# KiCad board Spielmodul.kicad_pcb (continued)
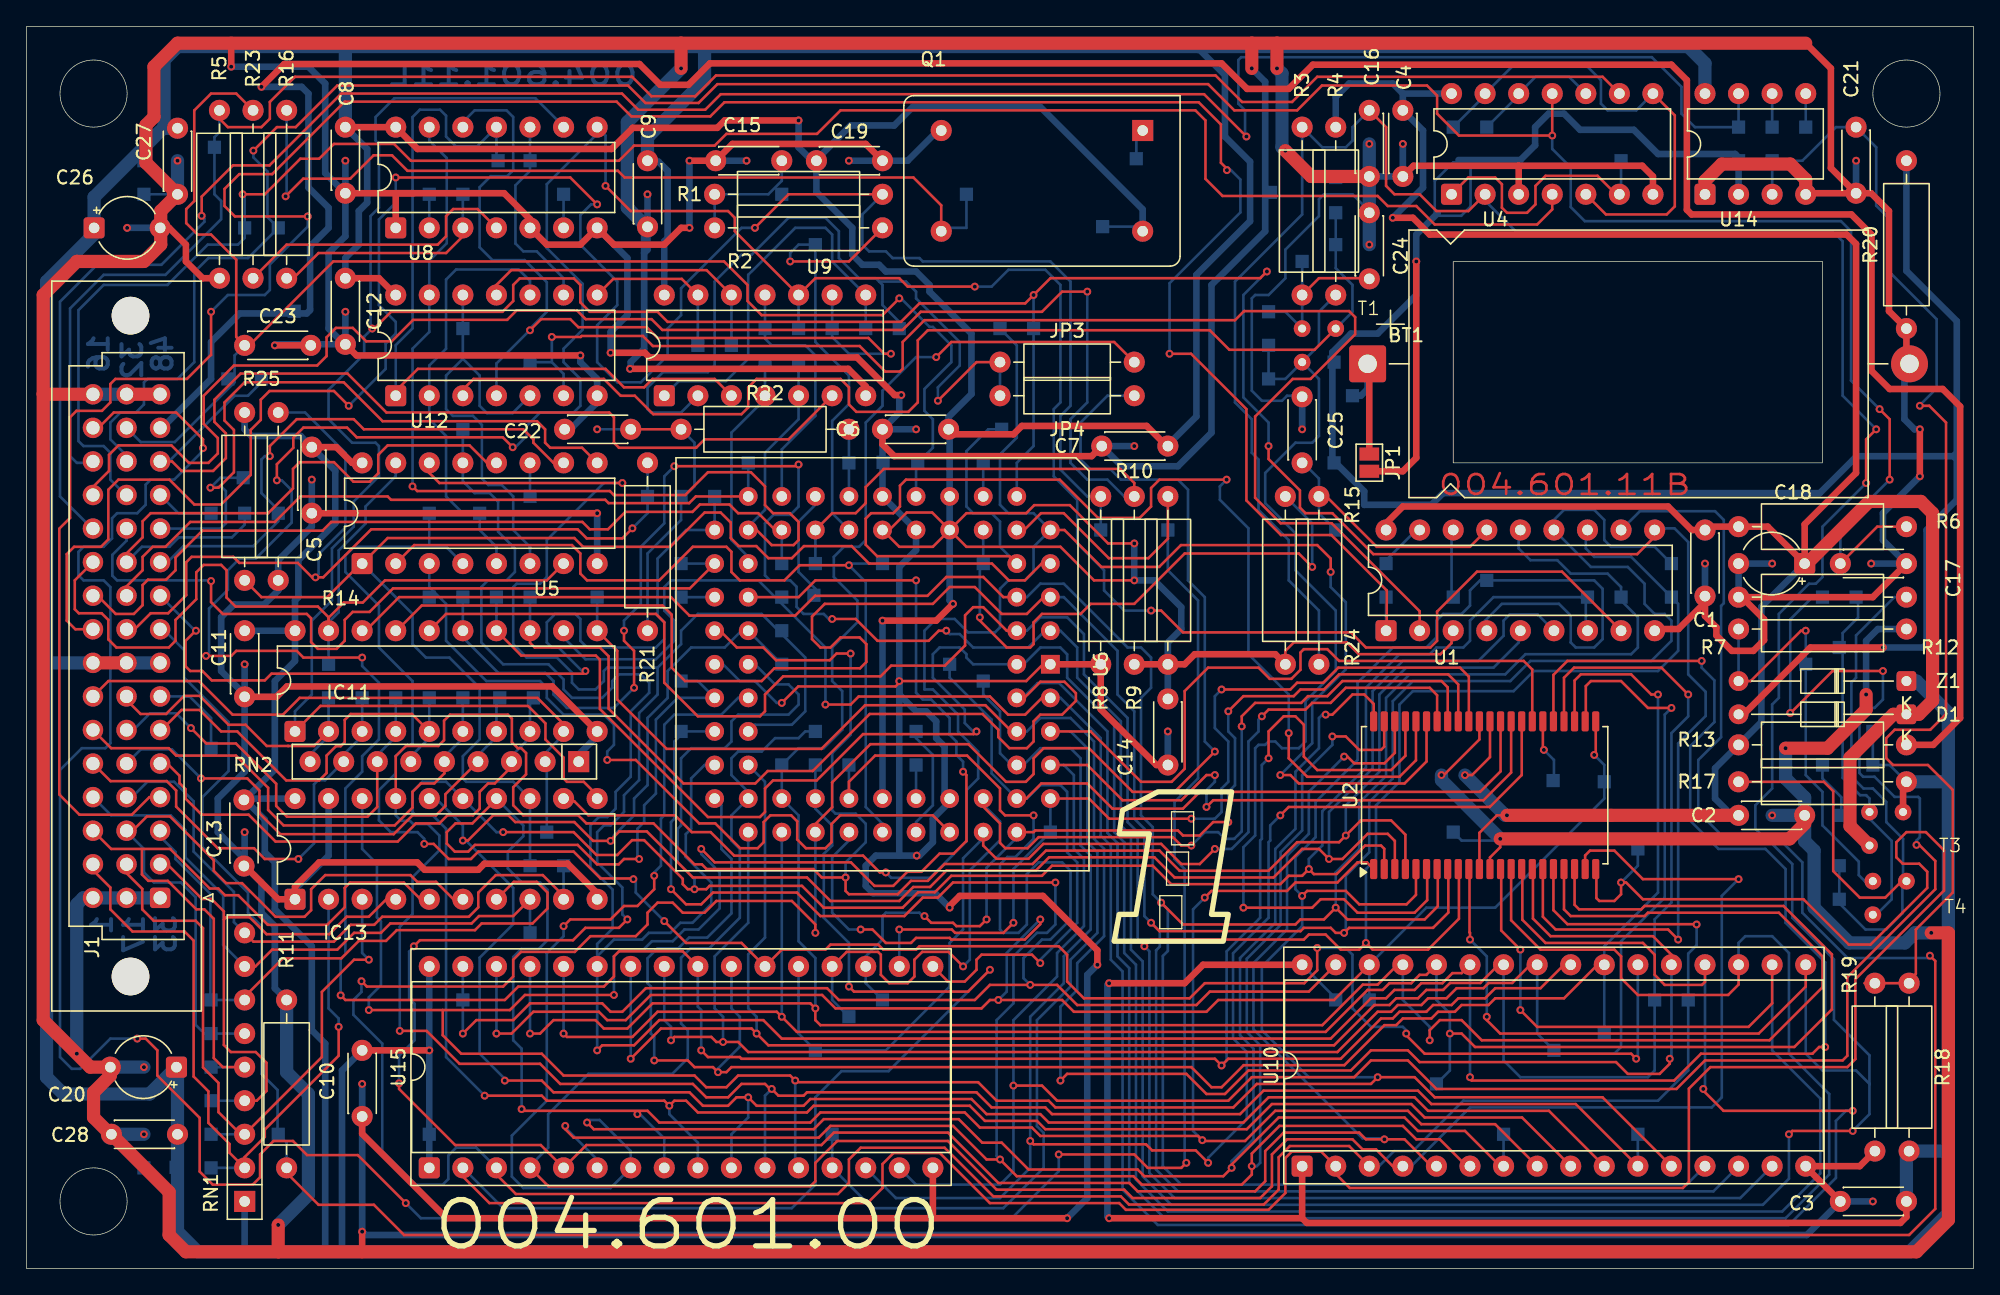
[diagram p0: board, top side]
## Footprints (pads in the part's own frame, mm; a bottom-side part is the same pattern mirrored in y, then rotated)
C_Disc_D4.3mm_W1.9mm_P5.00mm
  round 1.6 hole 0.8: 1(0,0) 2(5,0)
CP_Axial_L34.5mm_D20.0mm_P41.00mm_Horizontal
  rrect 2.8x2.8 hole 1.4: 1(0,0)
  round 2.8 hole 1.4: 2(41,0)
CP_Radial_Tantal_D4.5mm_P5.00mm
  rrect 1.6x1.6 hole 0.8: 1(0,0)
  round 1.6 hole 0.8: 2(5,0)
D_DO-34_SOD68_P12.70mm_Horizontal
  rrect 1.5x1.5 hole 0.75: 1(0,0)
  round 1.5 hole 0.75: 2(12.7,0)
DIN41612_R2_3x16_Male_Vertical_THT
  round 2.85 hole 2.85 unplated: (2.24,5.95) (2.24,-44.05)
  rrect 1.55x1.55 hole 1: a1(0,0)
  round 1.55 hole 1: a2(0,-2.54) a3(0,-5.08) a4(0,-7.62) a5(0,-10.16) a6(0,-12.7) a7(0,-15.24) a8(0,-17.78) a9(0,-20.32) a10(0,-22.86) a11(0,-25.4) a12(0,-27.94) a13(0,-30.48) a14(0,-33.02) a15(0,-35.56) a16(0,-38.1) b1(2.54,0) b2(2.54,-2.54) b3(2.54,-5.08) b4(2.54,-7.62) b5(2.54,-10.16) b6(2.54,-12.7) b7(2.54,-15.24) b8(2.54,-17.78) b9(2.54,-20.32) b10(2.54,-22.86) b11(2.54,-25.4) b12(2.54,-27.94) b13(2.54,-30.48) b14(2.54,-33.02) b15(2.54,-35.56) b16(2.54,-38.1) c1(5.08,0) c2(5.08,-2.54) c3(5.08,-5.08) c4(5.08,-7.62) c5(5.08,-10.16) c6(5.08,-12.7) c7(5.08,-15.24) c8(5.08,-17.78) c9(5.08,-20.32) c10(5.08,-22.86) c11(5.08,-25.4) c12(5.08,-27.94) c13(5.08,-30.48) c14(5.08,-33.02) c15(5.08,-35.56) c16(5.08,-38.1)
DIP-8_W7.62mm
  rrect 1.6x1.6 hole 0.8: 1(0,0)
  round 1.6 hole 0.8: 2(0,-2.54) 3(0,-5.08) 4(0,-7.62) 5(7.62,-7.62) 6(7.62,-5.08) 7(7.62,-2.54) 8(7.62,0)
DIP-14_W7.62mm
  rrect 1.6x1.6 hole 0.8: 1(0,0)
  round 1.6 hole 0.8: 2(0,-2.54) 3(0,-5.08) 4(0,-7.62) 5(0,-10.16) 6(0,-12.7) 7(0,-15.24) 8(7.62,-15.24) 9(7.62,-12.7) 10(7.62,-10.16) 11(7.62,-7.62) 12(7.62,-5.08) 13(7.62,-2.54) 14(7.62,0)
DIP-16_W7.62mm
  rrect 1.6x1.6 hole 0.8: 1(0,0)
  round 1.6 hole 0.8: 2(0,-2.54) 3(0,-5.08) 4(0,-7.62) 5(0,-10.16) 6(0,-12.7) 7(0,-15.24) 8(0,-17.78) 9(7.62,-17.78) 10(7.62,-15.24) 11(7.62,-12.7) 12(7.62,-10.16) 13(7.62,-7.62) 14(7.62,-5.08) 15(7.62,-2.54) 16(7.62,0)
DIP-18_W7.62mm
  rrect 1.6x1.6 hole 0.8: 1(0,0)
  round 1.6 hole 0.8: 2(0,-2.54) 3(0,-5.08) 4(0,-7.62) 5(0,-10.16) 6(0,-12.7) 7(0,-15.24) 8(0,-17.78) 9(0,-20.32) 10(7.62,-20.32) 11(7.62,-17.78) 12(7.62,-15.24) 13(7.62,-12.7) 14(7.62,-10.16) 15(7.62,-7.62) 16(7.62,-5.08) 17(7.62,-2.54) 18(7.62,0)
DIP-20_W7.62mm
  rrect 1.6x1.6 hole 0.8: 1(0,0)
  round 1.6 hole 0.8: 2(0,-2.54) 3(0,-5.08) 4(0,-7.62) 5(0,-10.16) 6(0,-12.7) 7(0,-15.24) 8(0,-17.78) 9(0,-20.32) 10(0,-22.86) 11(7.62,-22.86) 12(7.62,-20.32) 13(7.62,-17.78) 14(7.62,-15.24) 15(7.62,-12.7) 16(7.62,-10.16) 17(7.62,-7.62) 18(7.62,-5.08) 19(7.62,-2.54) 20(7.62,0)
DIP-32_W15.24mm_Socket
  rrect 1.6x1.6 hole 0.8: 1(0,0)
  round 1.6 hole 0.8: 2(0,-2.54) 3(0,-5.08) 4(0,-7.62) 5(0,-10.16) 6(0,-12.7) 7(0,-15.24) 8(0,-17.78) 9(0,-20.32) 10(0,-22.86) 11(0,-25.4) 12(0,-27.94) 13(0,-30.48) 14(0,-33.02) 15(0,-35.56) 16(0,-38.1) 17(15.24,-38.1) 18(15.24,-35.56) 19(15.24,-33.02) 20(15.24,-30.48) 21(15.24,-27.94) 22(15.24,-25.4) 23(15.24,-22.86) 24(15.24,-20.32) 25(15.24,-17.78) 26(15.24,-15.24) 27(15.24,-12.7) 28(15.24,-10.16) 29(15.24,-7.62) 30(15.24,-5.08) 31(15.24,-2.54) 32(15.24,0)
Oscillator_DIP-14
  rect 1.6x1.6 hole 0.8: 1(0,0)
  round 1.6 hole 0.8: 7(15.24,0) 8(15.24,7.62) 14(0,7.62)
PLCC-68_THT-Socket
  rect 1.422x1.422 hole 0.8: 1(0,0)
  round 1.422 hole 0.8: 2(0,-2.54) 3(-2.54,0) 4(-2.54,-2.54) 5(-5.08,0) 6(-5.08,-2.54) 7(-7.62,0) 8(-7.62,-2.54) 9(-10.16,0) 10(-12.7,-2.54) 11(-10.16,-2.54) 12(-12.7,-5.08) 13(-10.16,-5.08) 14(-12.7,-7.62) 15(-10.16,-7.62) 16(-12.7,-10.16) 17(-10.16,-10.16) 18(-12.7,-12.7) 19(-10.16,-12.7) 20(-12.7,-15.24) 21(-10.16,-15.24) 22(-12.7,-17.78) 23(-10.16,-17.78) 24(-12.7,-20.32) 25(-10.16,-20.32) 26(-12.7,-22.86) 27(-10.16,-25.4) 28(-10.16,-22.86) 29(-7.62,-25.4) 30(-7.62,-22.86) 31(-5.08,-25.4) 32(-5.08,-22.86) 33(-2.54,-25.4) 34(-2.54,-22.86) 35(0,-25.4) 36(0,-22.86) 37(2.54,-25.4) 38(2.54,-22.86) 39(5.08,-25.4) 40(5.08,-22.86) 41(7.62,-25.4) 42(7.62,-22.86) 43(10.16,-25.4) 44(12.7,-22.86) 45(10.16,-22.86) 46(12.7,-20.32) 47(10.16,-20.32) 48(12.7,-17.78) 49(10.16,-17.78) 50(12.7,-15.24) 51(10.16,-15.24) 52(12.7,-12.7) 53(10.16,-12.7) 54(12.7,-10.16) 55(10.16,-10.16) 56(12.7,-7.62) 57(10.16,-7.62) 58(12.7,-5.08) 59(10.16,-5.08) 60(12.7,-2.54) 61(10.16,0) 62(10.16,-2.54) 63(7.62,0) 64(7.62,-2.54) 65(5.08,0) 66(5.08,-2.54) 67(2.54,0) 68(2.54,-2.54)
R_Array_SIP9
  rect 1.6x1.6 hole 0.8: 1(0,0)
  round 1.6 hole 0.8: 2(2.54,0) 3(5.08,0) 4(7.62,0) 5(10.16,0) 6(12.7,0) 7(15.24,0) 8(17.78,0) 9(20.32,0)
R_Axial_DIN0207_L6.3mm_D2.5mm_P10.16mm_Horizontal
  round 1.6 hole 0.8: 1(0,0) 2(10.16,0)
R_Axial_DIN0309_L9.0mm_D3.2mm_P12.70mm_Horizontal
  round 1.6 hole 0.8: 1(0,0) 2(12.7,0)
SolderJumper-2_P1.3mm_Open_Pad1.0x1.5mm
  rect 1x1.5 smd: 1(-0.65,0) 2(0.65,0)
TestPoint_Pad_1.0x1.0mm
  rect 1x1 smd: 1(0,0)
TO92
  round 1.27 hole 0.6: 1(0,-2.54) 2(0,0) 3(2.54,0)
TSOP-II-44_10.16x18.41mm_P0.8mm
  rrect 1.525x0.55 smd: 1(-5.588,8.4) 2(-5.588,7.6) 3(-5.588,6.8) 4(-5.588,6) 5(-5.588,5.2) 6(-5.588,4.4) 7(-5.588,3.6) 8(-5.588,2.8) 9(-5.588,2) 10(-5.588,1.2) 11(-5.588,0.4) 12(-5.588,-0.4) 13(-5.588,-1.2) 14(-5.588,-2) 15(-5.588,-2.8) 16(-5.588,-3.6) 17(-5.588,-4.4) 18(-5.588,-5.2) 19(-5.588,-6) 20(-5.588,-6.8) 21(-5.588,-7.6) 22(-5.588,-8.4) 23(5.588,-8.4) 24(5.588,-7.6) 25(5.588,-6.8) 26(5.588,-6) 27(5.588,-5.2) 28(5.588,-4.4) 29(5.588,-3.6) 30(5.588,-2.8) 31(5.588,-2) 32(5.588,-1.2) 33(5.588,-0.4) 34(5.588,0.4) 35(5.588,1.2) 36(5.588,2) 37(5.588,2.8) 38(5.588,3.6) 39(5.588,4.4) 40(5.588,5.2) 41(5.588,6) 42(5.588,6.8) 43(5.588,7.6) 44(5.588,8.4)

## Nets
GND: BT1.2 C1.2 C2.2 C3.2 C4.2 C5.2 C6.2 C7.2 C8.2 C9.2 C10.2 C11.2 C12.2 C13.2 C14.2 C15.2 C16.2 C17.2 C18.2 C19.2 C20.2 C21.2 C22.2 C23.2 C24.2 C25.2 C26.2 C27.2 C28.2 IC11.10 IC13.1 IC13.10 IC13.19 J1.a1 J1.a16 J1.b1 J1.b16 J1.c1 J1.c16 Q1.7 R5.1 R7.2 R8.1 R11.2 R12.1 R14.1 R19.1 R20.1 RN2.1 TP35.1 TP115.1 TP123.1 TP141.1 TP152.1 TP153.1 U1.9 U2.12 U2.34 U4.3 U4.7 U5.8 U6.1 U6.17 U6.18 U6.35 U6.57 U8.1 U8.5 U8.7 U9.7 U10.16 U12.7 U14.1 U14.4 U15.16
VCC: C3.1 C5.1 C6.1 C7.1 C8.1 C9.1 C10.1 C11.1 C12.1 C13.1 C14.1 C19.1 C20.1 C26.1 C27.1 C28.1 IC11.20 IC13.20 J1.a8 J1.b8 J1.c8 Q1.14 R9.1 R10.1 R15.1 R17.2 R18.1 R25.2 RN1.1 T3.3 TP37.1 TP124.1 TP130.1 TP131.1 TP142.1 TP149.1 TP154.1 U1.3 U5.16 U6.14 U6.15 U6.19 U6.53 U8.14 U9.14 U10.1 U10.32 U12.14 U14.8 U15.1 U15.32 Z1.1
+BATT: D1.2 JP1.2 R20.2 TP27.1 TP145.1 TP146.1 U14.2
/c_a4: J1.a4 TP114.1 U1.1
/c_a7: J1.a7 TP136.1
/c_a9: C16.1 J1.a9 R3.2 R11.1 R24.1 TP137.1 U4.2
/c_a11: J1.a11 TP122.1 U5.10
/c_a12: J1.a12 TP150.1 U5.9
/c_a13: J1.a13 TP120.1
/c_b11: J1.b11 TP121.1 U5.12
/c_b13: J1.b13 TP26.1 U4.4
/c_b14: C17.1 J1.b14 R6.2 TP25.1 U4.11
/c_c12: J1.c12 TP107.1 U14.7
/c_c14: J1.c14 R5.2 TP24.1 U4.9
/cA1: IC13.2 J1.c2 RN1.2 TP47.1
/cA2: IC13.3 J1.b2 RN1.3 TP46.1
/cA3: IC13.4 J1.a2 RN1.4 TP45.1
/cA4: IC13.5 J1.c3 RN1.5 TP44.1
/cA5: IC13.6 J1.b3 RN1.6 TP43.1
/cAS: IC13.7 J1.a3 RN1.7 TP42.1
/cD0: IC11.2 J1.b7 RN2.9 TP1.1
/cD1: IC11.3 J1.c5 RN2.8 TP2.1
/cD2: IC11.4 J1.b6 RN2.7 TP3.1
/cD3: IC11.5 J1.a6 RN2.6 TP4.1
/cD4: IC11.6 J1.c6 RN2.5 TP5.1
/cD5: IC11.7 J1.b5 RN2.4 TP6.1
/cD6: IC11.8 J1.a5 RN2.3 TP7.1
/cD7: IC11.9 J1.c7 RN2.2 TP8.1
/cHALT: J1.b9 R14.2 R21.2 TP76.1
/cLDS: IC13.8 J1.c4 RN1.8 TP80.1
/cRAMVCC: J1.a15 R13.2 TP151.1
/cRESET: J1.c9 R1.2 R8.2 TP89.1
/cRW: IC13.9 J1.b4 RN1.9 TP68.1
/c~{USER}: J1.a14 TP119.1 U9.6
A0: TP63.1 U6.31
A1: IC13.18 TP101.1 U1.4 U2.5 U6.32 U10.12 U15.12
A2: IC13.17 TP93.1 U1.5 U2.4 U6.33 U10.11 U15.11
A3: IC13.16 TP61.1 U1.6 U2.3 U6.34 U10.10 U15.10
A4: IC13.15 TP102.1 U1.7 U2.2 U6.36 U10.9 U15.9
A5: IC13.14 TP67.1 U2.1 U6.37 U10.8 U15.8
A6: TP94.1 U2.44 U6.38 U10.7 U15.7
A7: TP66.1 U2.43 U6.39 U10.6 U15.6
A8: TP62.1 U2.42 U5.14 U6.40 U10.5 U15.5
A9: TP85.1 U2.27 U5.13 U6.41 U10.27 U15.27
A10: TP95.1 U2.26 U6.42 U10.26 U15.26
A11: TP97.1 U2.25 U6.43 U10.23 U15.23
A12: TP96.1 U2.24 U6.44 U10.25 U15.25
A13: TP65.1 U2.21 U6.45 U10.4 U15.4
A14: TP125.1 U2.20 U6.46 U10.28 U15.28
A15: JP3.2 TP19.1 U2.19 U6.47 U10.29 U15.29
A16: JP4.2 TP98.1 U2.18 U6.48 U10.3 U15.3
A17: TP18.1 TP92.1 U2.22 U6.49 U10.2 U15.2
A18: TP52.1 TP106.1 U2.23 U6.50 U10.30 U15.30
A19: TP20.1 TP81.1 U6.51 U10.31 U15.31
A20: TP143.1 U5.2 U6.52
A21: TP22.1 U6.54
A22: TP23.1 U6.55
A23: TP74.1 U5.3 U6.56
AS: IC13.13 R25.1 TP69.1 U5.1 U6.7
CLK: C23.1 J1.b15 R23.2 TP135.1 TP138.1 U6.16
D0: IC11.18 TP103.1 U1.14 U2.7 U6.6 U10.13
D1: IC11.17 TP105.1 U1.13 U2.8 U6.5 U10.14
D2: IC11.16 TP104.1 U1.12 U2.9 U6.4 U10.15
D3: IC11.15 TP73.1 U1.11 U2.10 U6.3 U10.17
D4: IC11.14 TP72.1 U2.13 U6.2 U10.18
D5: IC11.13 TP71.1 U2.14 U6.68 U10.19
D6: IC11.12 TP91.1 U2.15 U6.67 U10.20
D7: IC11.11 TP75.1 U2.16 U6.66 U10.21
D8: TP51.1 U2.29 U6.65 U15.13
D9: TP79.1 U2.30 U6.64 U15.14
D10: TP139.1 U2.31 U6.63 U15.15
D11: TP78.1 U2.32 U6.62 U15.17
D12: TP64.1 U2.35 U6.61 U15.18
D13: TP48.1 U2.36 U6.60 U15.19
D14: TP49.1 U2.37 U6.59 U15.20
D15: TP50.1 U2.38 U6.58 U15.21
EXT_RANGE: IC11.19 J1.c11 TP70.1 U5.7 U5.15
FC0: TP56.1 U6.30 U9.4
FC1: J1.b12 TP16.1 U6.29
FC2: TP57.1 U6.28 U8.13 U9.5 U12.13
IPL0: J1.a10 TP13.1 U6.27
IPL1: J1.b10 TP14.1 U6.26
IPL2: J1.c10 TP9.1 U6.25
LDS: IC13.12 TP117.1 U2.39 U6.9
OE: TP55.1 U1.8 U2.41 U8.8 U9.10 U10.24 U15.24
R/~{W}: IC11.1 IC13.11 TP118.1 U1.10 U2.17 U6.10 U8.9
RAM_RANGE: TP84.1 U5.5 U12.2 U12.10
RAM_SELECT: T1.3 TP108.1 TP109.1 U12.3
RAMVCC: C1.1 C2.1 C4.1 C18.1 D1.1 R4.2 R6.1 R13.1 T3.1 TP128.1 TP129.1 U1.18 U2.11 U2.33 U4.14
ROM_CE: TP83.1 U5.4 U10.22 U15.22
RTC_CS: TP86.1 U1.2 U12.6
RTC_RANGE: TP87.1 U5.6 U12.5 U12.12
UDS: TP11.1 U2.40 U6.8
~{AVEC}: J1.c13 R9.2 TP10.1 U6.23
~{BERR}: TP60.1 U6.24 U9.11
~{BGACK}: R15.2 TP90.1 U6.13
~{BG}: TP12.1 U6.12
~{DTACK}: J1.c15 R10.2 TP88.1 U6.11
~{HALT}: R22.2 TP15.1 U6.20
~{RESET}: R2.2 TP17.1 U6.21
Net-(BT1-+): BT1.1 JP1.1 TP36.1
Net-(C15-Pad1): C15.1 R1.1 R2.1 TP116.1
Net-(C22-Pad1): C22.1 R21.1 R22.1 TP77.1
Net-(JP3-A): JP3.1 JP4.1 TP21.1 U9.2
Net-(Q1-OUT): Q1.8 R16.2 TP34.1
Net-(R16-Pad1): R16.1 TP40.1 U8.3
Net-(R23-Pad1): R23.1 U8.4
Net-(T1-D): R4.1 T1.1 TP112.1 TP113.1 U2.6
Net-(T1-G): C24.1 R3.1 T1.2 TP110.1 TP111.1
Net-(T3-B): T3.2 T4.1 TP132.1 TP133.1
Net-(T4-B): R7.1 T4.2 TP140.1 Z1.2
Net-(T4-E): R12.2 R17.1 T4.3 TP126.1 TP127.1
Net-(TP31-Pad1): TP31.1 U4.1 U4.6
Net-(TP32-Pad1): TP32.1 U4.10 U4.12
Net-(TP33-Pad1): TP33.1 U4.5 U4.8 U4.13
Net-(TP38-Pad1): TP38.1 U8.11 U9.3 U12.1
Net-(TP39-Pad1): TP39.1 U8.10 U12.9
Net-(TP41-Pad1): TP41.1 U8.2
Net-(TP53-Pad1): TP53.1 U9.1 U9.8
Net-(TP54-Pad1): TP54.1 U8.12 U9.9 U12.4
Net-(TP58-Pad1): TP58.1 U9.12 U12.11
Net-(TP59-Pad1): TP59.1 U9.13 U12.8
Net-(TP99-Pad1): TP99.1 U1.17
Net-(TP100-Pad1): TP100.1 U1.16
Net-(TP144-Pad1): TP144.1 U8.6
Net-(U1-CS1): C25.1 R24.2 TP134.1 U1.15
Net-(U5B-O1): TP82.1 U5.11
Net-(U14--): C21.1 R18.2 R19.2 TP28.1 U14.3
Net-(U14-BAL): TP30.1 U14.5
Net-(U14-STRB): TP29.1 U14.6

Pads without a net: Q1 1; TP147 1; TP148 1; TP155 1; U2 28; U6 22

## Via types
v1: diameter 0.6, hole 0.3, Top to Bottom, 277 vias

## Routing (per net, layer and track width the routed paths; a pad name or vN(x,y) marks a point on that pad's centre or on a via; arc(x,y) is an arc through that point)
GND: length 1497.5
  Top w0.2: v1(107.06,37.34) 107.24,37.34 109.93,40.03 109.93,41.4 ; v1(57.15,42.8) 58.39,44.04 65.76,44.04 66.04,44.32 v1(66.04,44.45) 75.64,44.45 76.91,45.72 ; v1(111.51,32.51) 111.51,31.88 110.73,31.1 U2.12
  Top w0.5: C19.2 63.5,85.09 53.42,85.09 C15.2 v1(50.16,83.82) ; 43.18,28.4 40.94,30.63 34.65,30.63 34.19,30.18 30.12,30.18 29.57,30.73 22.15,30.73 20.32,28.91 IC13.1 19.05,27.94 16.76,30.23 ; C11.2 18.93,43.26 19.71,44.04 39.78,44.04 IC11.10 ; v1(69.85,27.31) 69.85,27.43 70.61,28.19 76.91,28.19 81.03,24.08 v1(81.03,22.99) ; C1.2 127,49.38 127.86,48.51 127.86,47.9 129.03,46.74 130.66,46.74 131.47,47.55 131.47,49.12 129.79,50.8 ; 112.9,83.44 122.25,83.44 123.06,82.63 123.06,81.28 ; 112.9,83.44 112.9,81.28 ; 112.9,83.44 104.95,83.44 C4.2 ; C21.2 139.57,81.36 140.92,80.01 140.92,72.44 R20.1 142.24,68.69 ; C21.2 136.53,83.27 136.53,90.81 134.62,92.71 ; C21.2 134.7,81.36 ; C12.2 24.97,69.09 v1(41.91,69.09) ; C23.2 v1(18.8,69.85) ; U6.1 R8.1 81.28,42.32 85.5,38.1 C14.2 ; U15.16 68.58,3.81 ; 68.58,3.81 v1(78.74,3.81) ; 68.58,3.81 31.79,3.81 25.4,10.2 C10.2 ; R5.1 13.33,74.93 12.06,76.2 12.06,77.47 10.8,78.74 C26.2 ; 29.31,81.36 C8.2 ; U9.7 63.5,66.75 62.18,68.07 v1(45.67,68.07) ; C5.2 v1(43.18,57.15) ; 123.32,48.39 124.99,48.39 127,50.39 ; v1(143.26,63.5) v1(143.26,59.94) ; 134.62,7.7 C3.2 ; v1(44.2,69.29) 46.79,69.29 47.14,68.94 62.84,68.94 65.68,66.09 v1(66.19,66.09) ; v1(25.4,2.79) 25.4,1.27 ; v1(15.49,90.93) 15.49,92.71 ; C17.2 139.7,50.8 R12.1 ; U10.16 138.71,7.75 R19.1 ; C6.2 64.77,62.36 65.66,61.47 80.6,61.47 C7.2 ; v1(50.16,78.74) 49.53,78.74 48.26,77.47 44.45,77.47 U8.7 41.91,77.47 39.37,77.47 U8.5 38.1,79.4 36.14,81.36 27.94,81.36 U8.1
  Top w1: v1(95.25,84.58) 97.2,82.63 C16.2 ; 19.05,1.27 12.06,1.27 10.8,2.54 10.8,5.79 C28.2 ; 19.05,1.27 143,1.27 145.41,3.68 145.41,25.4 v1(144.12,25.4) ; 19.05,1.27 v1(19.05,3.3) ; 1.27,66.17 1.29,66.15 J1.c16 ; 1.27,66.17 1.27,73.66 3.81,76.2 8.89,76.2 10.16,77.47 10.16,80.01 C27.2 9.04,83.67 9.04,86.51 9.65,87.12 9.65,90.93 11.43,92.71 49.53,92.71 ; 1.27,66.17 1.27,18.8 4.83,15.24 C20.2 6.35,14.6 5.08,13.34 5.08,11.43 6.35,10.16 ; U14.4 134.62,82.4 133.45,83.57 128.27,83.57 127,82.3 U14.1 ; 92.71,92.71 v1(92.71,90.81) ; 92.71,92.71 49.53,92.71 ; 92.71,92.71 94.62,92.71 ; C2.2 134.54,33.65 133.4,32.51 v1(111.51,32.51) ; J1.b16 J1.a16 ; 49.53,92.71 v1(49.53,90.81) ; 134.62,92.71 94.62,92.71 ; 94.62,92.71 v1(94.62,90.81) ; v1(139.19,43.43) 139.19,42.29 136.27,39.37 v1(133.1,39.37)
  Bottom w0.2: TP115.1 108.59,32.39 111.38,32.39 v1(111.51,32.51) ; 101.6,80.01 100.33,81.28 98.17,81.28 97.79,80.9 97.79,79.63 95.25,77.09 95.25,74.93 93.98,73.66 92.96,73.66 92.71,73.41 92.71,66.42 93.47,65.66 95,65.66 95.38,66.04 96.44,66.04 ; U6.35 52.7,45.72 53.97,44.45 55.12,44.45 56.77,42.8 v1(57.15,42.8) ; 8.89,7.7 C28.2 ; TP141.1 C27.2
  Bottom w0.5: U12.7 43.18,67.31 41.91,68.58 v1(41.91,69.09) ; v1(21.59,59.69) C5.2 21.59,56.13 19.05,53.59 R14.1 19.05,51.31 17.98,50.24 15.7,50.24 14.73,49.28 14.73,45.21 16.51,43.43 ; C21.2 v1(138.43,83.82) ; 46.74,76.84 46.74,78.49 ; 46.74,76.84 46.99,77.09 C9.2 v1(46.99,81.28) ; 46.74,76.84 46.74,69.6 45.72,68.58 45.72,68.07 ; 16.51,30.56 v1(16.51,33.02) ; v1(18.8,69.85) 18.88,69.93 C12.2 v1(24.13,72.39) ; C1.2 v1(127,53.34) ; v1(104.14,85.09) C4.2 99.27,82.63 ; 68.96,86.11 66.68,83.82 C19.2 v1(62.23,83.82) ; R7.2 140.08,48.39 139.19,47.5 v1(139.19,43.43) ; C6.2 U6.18 U6.17 67.31,54.36 66.04,53.09 v1(66.04,44.45) ; C6.2 66.04,64.77 66.04,65.94 v1(66.19,66.09) ; C6.2 v1(67.31,63.5) ; v1(15.49,90.93) 21.34,90.93 22.61,89.66 22.61,82.88 C8.2 v1(24.13,83.82) ; IC13.1 20.32,28.7 22.86,31.24 IC13.19 ; 24.05,69.93 22.86,71.12 22.86,76.84 24.13,78.11 24.13,81.28 ; v1(143.26,59.94) 140.46,57.15 140.46,55.12 C17.2 v1(139.57,53.34) ; v1(69.85,27.31) 68.76,28.4 64.06,28.4 63.5,28.96 63.5,30.48 64.26,31.24 66.04,31.24 ; v1(66.04,44.45) 66.04,31.24 ; v1(66.04,44.45) 66.04,43.43 67.31,42.16 68.07,42.16 68.83,41.4 68.83,40.13 69.47,39.5 69.47,35.94 U6.57 ; 66.04,31.24 v1(67.36,31.24) 67.56,31.24 68.58,32.26 68.58,34.04 69.85,35.31 ; 142.09,67.72 142.09,64.26 142.85,63.5 v1(143.26,63.5) ; U5.8 v1(43.18,57.15) ; C15.2 v1(54.48,83.82) ; v1(83.82,62.23) C7.2 82.88,60.71 87.12,60.71 89.66,63.25 89.66,74.42 93.73,78.49 93.73,89.79 v1(92.71,90.81) ; v1(139.7,5.08) C3.2 134.7,2.54 25.65,2.54 v1(25.4,2.79) C10.2 v1(25.4,13.97) ; v1(81.03,22.99) 80.26,22.22 80.26,5.33 v1(78.74,3.81) ; 16.51,30.99 14.48,33.02 14.48,35.56 16.51,37.59 C11.2 v1(16.51,45.72) ; U8.7 45.47,76.45 45.47,72.14 44.2,70.87 v1(44.2,69.29) ; v1(132.08,53.34) C18.2 R12.1 ; 41.15,63.5 43.18,65.53 ; R11.2 18.8,21.21 18.8,25.91 17.78,26.92 17.78,29.21 16.76,30.23 ; C14.2 v1(86.36,40.64) ; v1(50.16,83.82) v1(50.16,78.74) ; 43.18,40.28 41.78,38.89 ; C25.2 v1(96.52,63.5) ; C26.2 v1(7.62,78.74)
  Bottom w1: v1(101.6,85.09) C16.2 v1(101.6,77.47) ; v1(133.1,39.37) 133.1,37.08 134.54,35.64 C2.2 ; C27.2 v1(11.43,83.82) ; v1(111.51,32.51) 107.06,36.96 v1(107.06,37.34) ; C20.2 v1(8.89,15.24) ; v1(49.53,90.81) 45.47,86.74 45.47,80.26 46.91,78.82 ; J1.a1 4.3,28.05 3.81,27.56 v1(3.81,16.26) ; C2.2 134.54,32.34 135.25,31.62 135.25,27.31 137.92,24.64 142.11,24.64 142.88,25.4 v1(144.12,25.4) ; C2.2 v1(132.08,34.29) ; C28.2 v1(8.89,10.16) ; v1(94.62,90.81) 95,90.42 95,84.84 v1(95.25,84.58) ; R11.2 19.69,14.86 21.34,13.21 21.34,5.59 v1(19.05,3.3) ; J1.b16 J1.c16
VCC: length 973.3
  Top w0.2: 107.82,48.13 107.82,47.32 106.98,46.48 100.81,46.48 99.92,47.37 95.88,47.37 95.25,46.74 R15.1 ; v1(83.82,54.86) 81.84,54.86 78.94,57.76 76.25,57.76 75.64,57.15 71.12,57.15 U6.15 68.58,54.61 66.04,54.61 U6.19 ; 65.28,55.88 66.6,57.2 68.53,57.2 71.12,54.61 78.23,54.61 80.77,52.07 v1(83.82,52.07)
  Top w0.5: U12.14 26.67,74.93 C12.1 ; C8.1 U8.14 29.59,84.71 44.27,84.71 45.87,86.31 52.27,86.31 52.83,86.87 v1(58.42,86.87) ; C3.1 142.24,3.91 141.78,3.45 96.88,3.45 96.52,3.81 ; U5.16 24.64,60.96 23.45,62.15 C5.1 ; 96.52,3.81 U10.1 ; 96.52,3.81 v1(81.91,3.81) ; R15.1 94.49,46.48 88.39,46.48 87.63,45.72 R10.1 R9.1 ; v1(81.91,21.59) 87.63,21.59 89.03,22.99 U10.32 ; T3.3 141.99,36.58 ; 70.15,63.12 74.68,63.12 75.31,63.75 84.76,63.75 86.28,62.23 ; v1(70.1,50.29) 68.83,49.02 v1(64.77,49.02) ; v1(30.48,16.51) C10.1
  Top w1: J1.c8 J1.b8
  Bottom w0.2: TP130.1 TP131.1 140.97,38.1 R17.2 ; 99.06,20.45 U10.32 ; TP149.1 84.11,78.83
  Bottom w0.5: 59.44,83.82 58.42,84.84 v1(58.42,86.87) ; U15.1 v1(30.48,16.51) U15.32 ; 16.76,35.73 18.8,37.77 18.8,44.45 20.32,45.97 IC11.20 ; U9.14 48.26,77.72 48.51,77.98 48.51,83.06 47.83,83.74 47.07,83.74 ; 86.28,62.23 88.52,64.47 88.52,75.18 92.58,79.25 92.58,83.74 90.68,85.65 90.68,90.3 88.65,92.33 88.65,92.46 ; IC11.20 C11.1 ; IC11.20 20.32,50.55 20.57,50.8 20.57,53.59 23.37,56.39 23.37,60.37 C5.1 20.75,62.99 17.02,62.99 16.51,63.5 R25.2 ; U6.53 v1(64.77,49.02) ; 59.77,83.9 62.36,86.49 65.66,86.49 67.06,87.88 76.71,87.88 84.45,80.14 Q1.14 ; v1(81.91,3.81) 81.79,3.94 81.79,21.46 v1(81.91,21.59) ; 16.76,35.23 18.03,33.96 18.03,31.5 18.8,30.73 18.8,27.18 21.59,24.38 21.59,18.03 22.61,17.02 22.61,1.02 ; v1(83.82,54.86) v1(83.82,52.07) 85.34,52.07 87.38,50.04 87.38,48.39 86.36,47.37 R10.1 C14.1 ; RN1.1 16.51,1.02 ; C12.1 24.13,76.45 25.15,77.47 25.15,80.01 25.78,80.64 25.78,84.71 C8.1 ; IC13.20 16.59,35.56 ; C10.1 23.88,14.99 23.88,1.02 ; v1(70.1,50.29) 69.85,50.55 U6.15 69.85,62.86 69.77,62.95 C6.1 69.77,64.44 71.5,66.17 71.5,70.74 68.33,73.91 68.33,74.42 67.31,75.44 65.02,75.44 64.52,75.95 63.25,75.95 62.48,76.71 62.48,78.74 59.77,81.45 C19.1
  Bottom w1: C9.1 46.99,85.6 51.31,89.92 51.31,92.46 ; 145.29,8.89 142.24,8.89 C3.1 ; Z1.1 143,44.45 145.41,42.04 145.41,4.19 142.49,1.27 15.88,1.27 ; J1.c8 1.63,45.83 1.52,45.72 ; 10.41,86.36 10.49,86.28 C27.1 ; 10.41,86.36 5.12,81.07 C26.1 5.12,78.27 1.52,74.68 1.52,45.72 ; 10.41,86.36 10.41,91.44 11.43,92.46 24.38,92.46 ; 24.38,92.46 24.13,92.2 C8.1 ; 24.38,92.46 51.31,92.46 ; J1.a8 J1.b8 ; 51.31,92.46 125.73,92.46 127,91.19 U14.8 ; 1.52,45.72 1.52,14.48 2.79,13.21 9.32,13.21 C20.1 ; 16.26,1.27 12.95,1.27 11.43,2.79 C28.1 11.43,15.16 ; 145.29,36.83 R17.2
+BATT: length 187.2
  Top w0.5: JP1.2 104.14,60.33 105.16,61.34 v1(105.16,76.2) ; v1(140.46,46.99) 134.98,46.99 129.92,41.94
  Bottom w0.2: 106.55,79.76 106.55,82.3 107.95,83.69 109.04,83.69 109.26,83.47 109.26,80.36 108.56,79.65 106.88,79.65
  Bottom w0.5: 145.8,61.47 138.48,61.47 135.69,58.67 107.19,58.67 106.3,57.78 101.22,57.78 101.22,58.8 98.81,61.21 98.81,69.33 100.21,70.74 102.23,70.74 105.16,73.66 v1(105.16,76.2) 105.16,78.23 106.78,79.86 ; 145.8,61.47 146.05,61.21 146.05,58.17 143.76,55.88 143.76,47.24 143.51,46.99 v1(140.46,46.99) ; 145.8,61.47 146.05,61.72 146.05,71.68 142.24,75.49 R20.2 ; 108.36,83.87 113.03,83.87 114.15,84.99 114.15,86.36 115.16,87.38 116.33,87.38 117.55,86.16 121.62,86.16 123.44,84.33 129.29,84.33 129.54,84.07 U14.2
/c_a4: length 207.4
  Top w0.2: v1(86.49,69.22) 88.11,69.22 92.3,65.02 92.3,58.12 94.92,55.5 98.73,55.5 102.92,51.31 102.92,48.31 ; v1(90.83,83.11) 90.83,83.21 90.37,83.67 90.37,86.56 88.7,88.24 52.81,88.24 51.74,87.17 45.77,87.17 44.65,88.29 24.08,88.29 18.59,82.8 16.1,82.8 14.99,81.69 14.99,80.39 15.77,79.6 v1(21.29,79.6) ; J1.a4 9.3,35.67 7.98,34.34 4.01,34.34 2.49,35.86 2.49,55.98 3.3,56.79 3.3,64.41 3.78,64.9 5.72,64.9 6.35,65.53 6.35,66.93 6.73,67.31 12.14,67.31 13.97,69.14 v1(13.97,72.39)
  Bottom w0.2: v1(21.29,79.6) 21.29,78.84 18.41,75.97 18.41,74.04 18.03,73.66 15.24,73.66 v1(13.97,72.39) ; v1(90.83,83.11) 91.14,83.11 91.85,82.4 91.85,79.91 86.49,74.55 v1(86.49,69.22) ; TP114.1 102.87,48.51
/c_a7: length 6.6
  Bottom w0.2: 13.97,39.62 13.97,41.66 12.34,43.29 J1.a7
/c_a9: length 358.4
  Top w0.2: 19.69,7.24 22.1,4.83 26.29,4.83 28.58,2.54 142.44,2.54 144.42,4.52 144.42,23.27 v1(144.02,23.67) ; C16.1 102.87,86.36 102.87,81.91 103.5,81.28 105.41,81.28 106.68,80.01 109.09,80.01 U4.2 ; v1(139.19,59.44) 139.19,62.74 v1(139.95,63.5)
  Bottom w0.2: R11.1 19.69,9.53 19,10.21 19,13.51 17.78,14.73 17.78,25.91 16.76,26.92 16.76,28.45 13.31,31.9 13.31,35.66 15.29,37.64 15.29,41.35 11.94,44.7 11.94,46.79 10.36,48.37 ; C16.1 100.33,86.36 100.33,85.34 99.82,84.84 98.04,84.84 R3.2 96.52,79.76 91.44,74.68 91.44,65.53 92.71,64.26 92.71,61.72 93.22,61.21 93.22,57.4 95.5,55.12 95.5,52.07 97.79,49.78 R24.1 ; v1(139.19,59.44) 135.89,56.13 135.89,52.32 135.38,51.82 134.87,51.82 132.59,49.53 132.59,43.18 132.08,42.67 132.08,36.32 130.81,35.05 130.81,33.27 131.32,32.77 132.33,32.77 134.37,30.73 134.37,26.92 137.79,23.5 143.84,23.5 v1(144.02,23.67) ; 110.36,80.8 112.67,78.49 136.65,78.49 137.41,77.72 137.41,66.04 v1(139.95,63.5)
/c_a11: length 40.9
  Top w0.2: U5.10 39.88,60.96 38.35,62.48 38.35,62.74 37.59,63.5 25.53,63.5 24.77,64.26 20.45,64.26 18.41,62.23 v1(18.41,61.47)
  Bottom w0.2: 10.67,53.45 11.89,54.66 17.17,54.66 19.05,56.54 19.05,57.4 17.78,58.67 17.78,61.21 18.03,61.47 v1(18.41,61.47)
/c_a12: length 51.5
  Top w0.2: U5.9 42.04,62.1 39.62,62.1 39.24,62.48 39.24,63.5 38.63,64.11 26.95,64.11 24,67.06 16.51,67.06 14.99,65.53 14.99,64.16 15.7,63.45 15.7,60.25 14.53,59.08 v1(13.92,59.08)
  Bottom w0.2: J1.a12 14.69,55.99 15.09,56.39 15.09,58.83 14.78,59.13 14.12,59.13 14.07,59.08 v1(13.92,59.08) 14.67,59.83 TP150.1
/c_a13: length 4.4
  Bottom w0.2: TP120.1 11.49,57.15 J1.a13
/c_b11: length 46.5
  Top w0.2: 7.57,54.11 8.79,55.32 8.79,56.54 9.4,57.15 18.29,57.15 20.17,59.03 20.17,60.5 20.68,61.01 23.27,61.01 24.74,59.54 25.98,59.54 26.62,60.17 26.62,61.57 27.33,62.28 33.53,62.28 34.85,60.96 U5.12
  Bottom w0.2: J1.b11 8.74,54.61 10.82,54.61 11.53,55.32 15.54,55.32 16.51,56.29 TP121.1
/c_b13: length 145.3
  Top w0.2: U4.4 115.44,80.14 114.3,78.99 106.55,78.99 105.16,80.39 103,80.39 102.23,81.15 90.5,81.15 89.2,82.45 89.2,86.87 88.44,87.63 61.59,87.63 59.82,85.85 52.96,85.85 52.07,84.96 45.97,84.96 44.83,83.82 29.08,83.82 27.81,85.09 23.27,85.09 22.15,83.97 20.73,83.97 18.03,81.28 v1(16.36,81.28)
  Bottom w0.2: v1(16.36,81.28) 16.51,81.13 16.51,77.98 16,77.47 13.72,77.47 10.67,74.42 5.84,74.42 3.94,72.52 3.94,62.61 4.32,62.23 5.84,62.23 6.35,61.72 6.35,59.69 7.62,58.42
/c_b14: length 204.1
  Top w0.2: v1(140.21,65.02) 140.97,64.26 v1(140.97,59.69) ; R6.2 140.03,56.13 C17.1 ; v1(17.17,84.58) 18.95,86.36 20.37,86.36 23.52,89.51 45.52,89.51 46.84,88.19 50.85,88.19 52.27,89.61 89.41,89.61 91.39,87.63 96.14,87.63 98.02,89.51 105.97,89.51 106.73,88.75 106.73,87.38 108.38,85.72 v1(115.44,85.72) U4.11
  Bottom w0.2: v1(140.21,65.02) 138.05,67.18 138.05,78.49 137.29,79.25 117.91,79.25 116.84,80.31 116.84,83.31 115.44,84.71 v1(115.44,85.72) ; 7.62,61.47 6.35,62.74 6.35,64.01 7.11,64.77 8.28,64.77 8.89,65.38 8.89,67.05 9.15,67.31 11.43,67.31 12.7,68.58 12.7,75.39 13.77,76.45 16.76,76.45 19.05,78.74 18.24,79.55 18.24,83.01 17.17,84.07 v1(17.17,84.58) ; C17.1 137.24,55.96 v1(140.97,59.69)
/c_c12: length 168.2
  Top w0.2: v1(13.26,79.65) 13.26,81.1 15.62,83.46 18.39,83.46 23.83,88.9 45.06,88.9 46.28,87.68 51.36,87.68 52.53,88.85 89.1,88.85 v1(92.3,85.65)
  Bottom w0.2: v1(92.3,85.65) 92.3,85.75 92.2,85.85 92.2,87.63 91.69,88.14 91.69,91.44 91.91,91.66 122.97,91.66 125.22,89.41 125.22,87.38 126.24,86.36 TP107.1 U14.7 ; 5.08,55.88 2.54,58.42 2.54,73.15 5.33,75.95 10.21,75.95 13.46,79.2 13.46,79.45 v1(13.26,79.65)
/c_c14: length 147.9
  Top w0.2: 14.61,87 15.24,86.36 17.78,86.36 18.41,87 18.41,88.27 20.32,90.17 45.82,90.17 47.29,88.7 50.6,88.7 52.17,90.27 89.97,90.27 91.97,88.27 95.76,88.27 97.66,90.17 119.25,90.17 U4.9
  Bottom w0.2: R5.2 14.61,85.98 14.22,85.6 TP24.1 14.22,81.28 14.73,80.77 14.73,79.4 10.52,75.18 5.84,75.18 3.3,72.64 3.3,61.47 3.81,60.96 5.08,60.96
/cA1: length 55.7
  Top w0.2: v1(23.62,18.29) 23.62,16.1 18.03,10.52 18.03,9.96 16.51,8.43 RN1.2 15.37,8.76 15.37,9.42 13.77,11.02 13.77,13.41 12.65,14.53 12.65,24.82 11.96,25.5 8.03,25.5 6.35,27.18 6.35,28.83 5.03,30.14
  Bottom w0.2: v1(23.62,18.29) 23.62,18.92 22.86,19.69 IC13.2 ; TP47.1 RN1.2
/cA2: length 49.8
  Top w0.2: v1(25.91,23.37) 24.79,23.37 22.35,20.93 22.35,16 16.83,10.48 ; 16.21,10.16 14.53,11.84 14.53,14.05 13.36,15.21 13.36,25.76 12.8,26.31 9.63,26.31 8.76,27.18 8.76,28.73 7.57,29.92
  Bottom w0.2: v1(25.91,23.37) 25.4,23.88 IC13.3 ; TP46.1 RN1.3
/cA3: length 41
  Top w0.2: 14.94,26.4 14.94,27.03 14,27.97 13.28,27.97 10.66,30.59 ; 14.94,26.4 14.94,16.92 15.47,16.38 17.35,16.38 18.16,15.57 18.16,13.44 17.42,12.7 RN1.4 ; 14.94,26.4 15.11,26.58 16.89,26.58 18.17,25.3 22.91,25.3 24.23,26.62 25.91,26.62 27.23,27.94 IC13.4
  Bottom w0.2: TP45.1 RN1.4
/cA4: length 54.9
  Top w0.2: J1.c3 6.41,31.75 10.87,31.75 13.87,28.75 14.52,28.75 15.03,28.24 16.03,28.24 18.26,26.01 22.76,26.01 24.08,27.33 24.08,28.8 24.49,29.21 28.55,29.21 29.82,27.94 ; RN1.5 14.86,15.24 14.17,15.93 14.17,26.47 13.46,27.18 12.85,27.18 10.69,29.34 9.22,29.34 8.74,29.82 8.74,31.75
  Bottom w0.2: TP44.1 RN1.5
/cA5: length 53.9
  Top w0.2: 8.03,33.13 9.11,34.2 10.87,34.2 14.17,30.9 14.17,30.1 15.11,29.16 16.31,29.16 18.85,26.62 21.04,26.62 21.54,27.11 21.54,28.7 22.61,29.77 29.06,29.77 29.57,29.26 30.99,29.26 32.31,27.94 IC13.6
  Bottom w0.2: RN1.6 13.46,17.78 12.8,18.44 12.8,28.09 11.68,29.21 9.65,29.21 8.89,29.97 8.89,31.75 7.62,33.02
/cAS: length 48.2
  Top w0.2: IC13.7 36.88,29.26 38.61,29.26 39.42,28.45 39.42,27.24 38.29,26.11 34.44,26.11 33.93,25.6 28.02,25.6 27.2,24.79 25.15,24.79 23.83,23.47 19.41,23.47 16.51,20.57
  Bottom w0.2: 10.11,32.69 11.28,31.52 11.28,30.99 13.92,28.35 13.92,20.32 RN1.7
/cD0: length 22.8
  Top w0.2: 7.57,43.02 8.64,41.96 10.57,41.96 11.94,43.33 13.11,43.33 15.29,41.15 16.57,41.15 18.18,39.54 19.79,39.54 19.8,39.54 21.76,39.54 IC11.2
  Bottom w0.2: IC11.2 22.86,43.18 ; 21.46,38.89 22.86,40.28
/cD1: length 32.9
  Top w0.2: J1.c5 6.36,36.88 10.62,36.88 11.33,36.17 11.33,34.95 14.48,31.8 17.22,31.8 18.03,30.99 v1(20.57,30.99)
  Bottom w0.2: 24,38.9 25.4,40.3 ; v1(20.57,30.99) 21.76,32.17 21.76,36.64 22.06,36.94 22.59,36.94 RN2.8 ; IC11.3 TP2.1
/cD2: length 31.8
  Top w0.2: 26.54,38.35 26.54,34.92 25.81,34.19 19.71,34.19 18.9,35 18.9,36.68 15.85,39.73 13.61,39.73 v1(12.45,40.89)
  Bottom w0.2: 8.08,40.75 9.35,42.01 11.33,42.01 v1(12.45,40.89) ; 26.54,38.85 27.94,40.25 TP3.1
/cD3: length 32
  Top w0.2: 10.22,40.75 11.73,42.27 13.11,42.27 14.73,40.64 15.95,40.64 19.66,36.93 22.15,36.93 22.71,37.49 22.71,38.81 23.42,39.52 23.77,39.52 24.08,39.83 24.08,41.5 24.54,41.96 29.16,41.96 IC11.5
  Bottom w0.2: IC11.5 TP4.1 ; 29.08,38.75 30.48,40.14
/cD4: length 38.3
  Top w0.2: RN2.5 31.62,37.47 30.86,36.7 29.84,36.7 29.21,36.07 29.21,34.87 27.86,33.53 19.46,33.53 18.29,34.7 18.29,36.37 15.85,38.81 11.33,38.81 10.77,39.37 6.41,39.37 J1.c6
  Bottom w0.2: 31.62,38.73 33.02,40.13 ; IC11.6 TP5.1
/cD5: length 38
  Top w0.2: RN2.4 31.7,35.89 31.7,35 30.99,34.29 29.21,34.29 27.79,32.87 19.2,32.87 17.63,34.44 17.63,36.17 16.71,37.08 v1(13.21,37.08)
  Bottom w0.2: v1(13.21,37.08) 11.01,39.28 8.65,39.28 J1.b5 ; 34.16,38.84 35.56,40.23 ; IC11.7 35.56,43.18
/cD6: length 36.8
  Top w0.2: 10.66,38.21 11.58,37.29 11.58,36.73 12.04,36.27 12.04,35.56 13.26,34.34 16.81,34.34 18.85,32.31 28.09,32.31 29.46,33.68 31.24,33.68 31.85,34.29 33.78,34.29 34.29,34.8 34.29,36.07 34.92,36.7 35.43,36.7 36.7,37.97
  Bottom w0.2: IC11.8 38.1,43.18 ; 36.7,38.79 38.1,40.18
/cD7: length 45.7
  Top w0.2: 40.64,41.2 38.66,43.18 20.68,43.18 19.41,41.91 15.6,41.91 13.06,44.45 6.2,44.45 J1.c7
  Bottom w0.2: TP8.1 39.37,38.23 ; 39.24,38.99 40.64,40.39
/cHALT: length 66.3
  Top w0.2: v1(45.85,56.01) 45.08,55.25 42.39,55.25 41.71,55.93 26.09,55.93 22.45,52.3 v1(21.87,52.3) 21.62,52.3 20.52,53.39 16.1,53.39 15.65,53.85 12.5,53.85 12.09,53.44 12.09,50.95 10.72,49.58 9.4,49.58 8.19,48.37
  Bottom w0.2: R21.2 46.99,57.15 v1(45.85,56.01) ; v1(21.87,52.3) 22.1,52.53 22.1,54.03 24.13,56.07 24.13,61.72 21.08,64.77 R14.2
/cLDS: length 46.7
  Top w0.2: IC13.8 36.83,26.67 34.24,26.67 33.68,26.11 27.53,26.11 26.82,25.4 24.79,25.4 23.52,24.13 18.59,24.13 17.32,22.86 RN1.8
  Bottom w0.2: IC13.8 38.1,25.15 ; J1.c4 6.41,34.29 10.92,34.29 12.04,33.17 12.04,31.09 14.88,28.24 14.88,24.49 RN1.8
/cRAMVCC: length 221.1
  Top w0.5: R13.2 144.27,39.62 146.3,41.66 146.3,65.23 144.98,66.55 140.97,66.55 139.6,67.92 139.6,78.23 138.07,79.76 125.98,79.76 125.63,80.11 125.63,89.92 124.46,91.08 97.33,91.08 95.5,89.26 92.35,89.26 90.42,91.19 51.71,91.19 50.09,89.56 47.96,89.56 46.38,91.14 19.51,91.14 v1(17.78,89.41)
  Bottom w0.5: 10.16,63.5 13.97,67.31 13.97,70.1 16.13,72.26 21.21,72.26 21.46,72.52 21.46,77.34 22.86,78.74 22.86,80.26 21.34,81.79 21.34,88.9 20.83,89.41 v1(17.78,89.41)
/cRESET: length 164.1
  Top w0.2: R1.2 57.66,81.28 v1(55.12,78.74) ; v1(24.38,65.28) 23.27,66.4 18.39,66.4 17.73,65.74 17.73,64.21 16.97,63.45 16.97,60.05 14.73,57.81 12.7,57.81 10.82,59.69 6.96,59.69 6.2,58.93 6.2,55.17 5.64,54.61 3.61,54.61 3.05,54.05 3.05,49.02 3.7,48.37 J1.c9 ; v1(43.18,80.52) 41.15,82.55 v1(27.94,82.55)
  Bottom w0.2: v1(27.94,82.55) 27.94,80.64 26.67,79.38 26.67,72.9 27.94,71.63 27.94,70.74 27.18,69.98 27.18,68.07 v1(24.38,65.28) ; TP89.1 R8.2 80.26,58.42 78.23,60.45 78.23,64.52 78.99,65.28 78.99,74.68 77.47,76.2 67.82,76.2 67.56,76.45 65.53,76.45 65.02,76.96 63.75,76.96 63.25,77.47 63.25,79.76 R1.2 ; v1(43.18,80.52) 42.72,80.52 41.91,79.71 41.91,77.47 44.7,74.68 44.7,72.9 43.18,71.37 43.18,68.58 44.7,67.06 46.48,67.06 48.51,69.09 48.51,71.12 49.53,72.14 49.53,74.17 54.1,78.74 v1(55.12,78.74)
/cRW: length 47.4
  Top w0.2: RN1.9 17.17,24.74 23.27,24.74 24.54,26.01 26.31,26.01 26.92,26.62 33.48,26.62 34.19,27.33 34.19,28.45 35.51,29.77 39.07,29.77 40.64,28.19
  Bottom w0.2: IC13.9 40.64,30.23 ; RN1.9 15.7,26.21 15.7,28.5 12.65,31.55 12.65,35.36 11.18,36.83 9.14,36.83 7.98,35.67
/c~{USER}: length 72.6
  Top w0.2: U9.6 57.66,62.74 51.31,62.74 50.67,62.1 44.83,62.1 44.45,62.48 44.45,64.41 44.09,64.77 27.24,64.77 24.3,67.72 16.21,67.72 14.22,65.74 14.22,64.06 15.09,63.2 15.09,61.32 14.12,60.35 11.73,60.35 11.02,61.07 J1.a14
  Bottom w0.2: 10.78,61.07 15.75,66.04 16.76,66.04 17.78,67.06
A0: length 2.5
  Bottom w0.2: TP63.1 U6.31
A1: length 310.5
  Top w0.2: v1(51.05,31.75) 52.07,30.73 62.38,30.73 64.16,28.96 65.58,28.96 66.65,30.02 67.72,30.02 69.09,31.39 70.15,31.39 71.12,32.36 71.12,37.34 v1(70.87,37.59) ; v1(67.31,52.07) 59.69,52.07 58.42,50.8 U6.32 ; v1(44.45,20.7) 37.72,20.7 36.58,19.56 31.5,19.56 ; U2.5 105.13,28.27 104.42,27.56 100.84,27.56 99.82,28.58 96.9,28.58 v1(96.52,28.19) ; U10.12 119.25,12.95 106.55,12.95 105.03,14.48 v1(102.23,14.48) 101.73,13.97 93.09,13.97 91.31,12.19 77.85,12.19 77.34,12.7 73.41,12.7 72.01,14.1 58.29,14.1 v1(58.17,14.22) 57.78,14.6 53.85,14.6 52.96,13.72 51.44,13.72 50.55,14.6 40.64,14.6 38.99,16.26 32.89,16.26 31.5,17.65 31.5,19.56 ; v1(25.91,19.56) 31.5,19.56
  Bottom w0.2: v1(102.23,14.48) 97.03,14.48 93.47,18.03 93.47,22.86 96.52,25.91 v1(96.52,28.19) 96.01,28.7 96.01,31.11 97.54,32.64 97.54,35.31 100.71,38.48 100.71,44.32 103.38,46.99 105.92,46.99 106.68,47.75 106.68,49.02 107.19,49.53 108.59,49.53 109.22,50.17 109.22,51.31 109.98,52.07 TP101.1 118.62,52.07 119.25,51.44 119.25,47.62 118.62,46.99 117.22,46.99 116.84,47.37 116.84,49.4 115.95,50.29 111.63,50.29 110.36,49.02 110.36,48.39 ; IC13.18 25.4,31.75 26.52,30.63 26.52,26.57 26.82,26.26 26.82,21.44 25.91,20.52 v1(25.91,19.56) ; v1(51.05,31.75) 51.05,31.37 52.45,29.97 52.45,27.25 50.85,25.65 49.78,25.65 48.89,24.77 47.32,24.77 46.69,24.13 44.96,24.13 44.45,23.62 v1(44.45,20.7) ; v1(70.87,37.59) 70.87,38.35 70.36,38.86 70.36,39.88 69.85,40.39 69.85,41.66 68.45,43.05 67.82,43.05 67.31,43.56 v1(67.31,52.07) ; v1(58.17,14.22) 58.17,7.87
